# KiCad board DQBSCEEEEEE.kicad_pcb (continued)
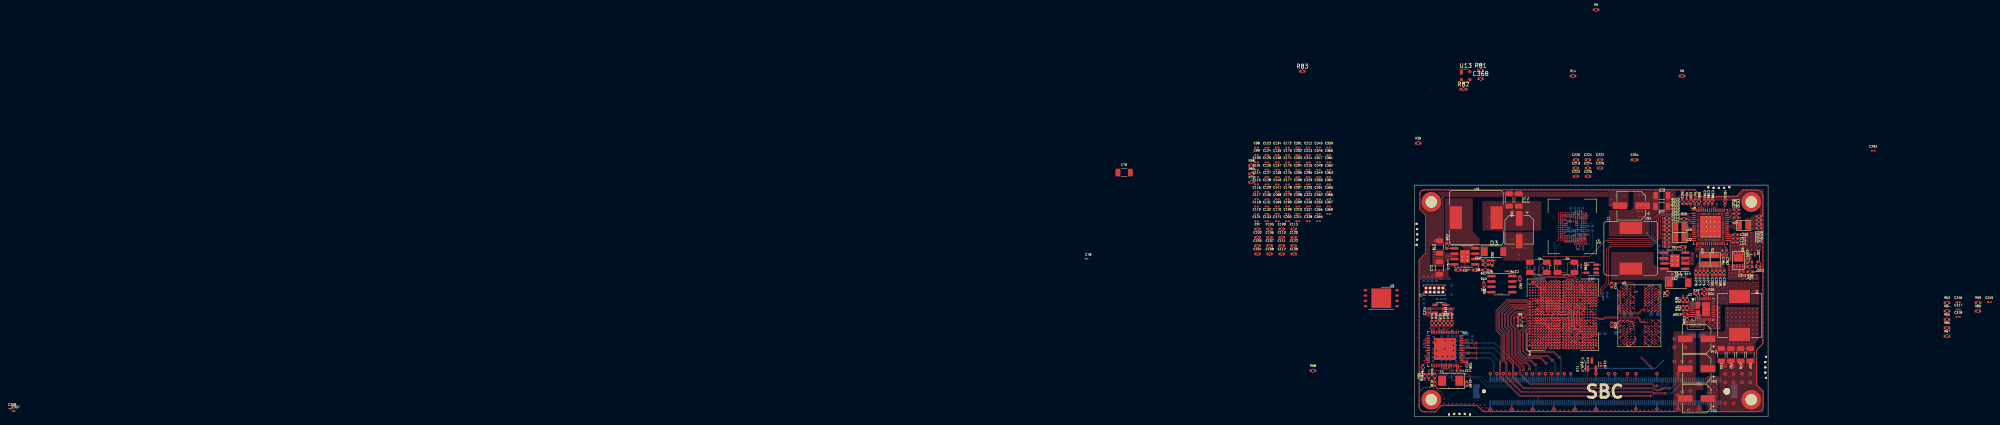
[diagram p0: board, top side]
## Copper pours and planes (outline as drawn; the poured copper is in the pictures) (continued)
VIN on TOP: 65.28,24.92 66.73,24.92 66.73,25.32 67.93,25.32 67.93,22.57 68.28,22.17 68.28,21.17 65.33,21.17 65.33,23.07 66.63,23.07 66.63,23.52 66.73,23.62 66.73,24.62 65.28,24.62
VIN on TOP, BOT: 72.25,1.57 69.45,1.57 69.43,9.67 72.25,9.67
VIN on S1: 89.75,-52.02 77.65,-52.02 77.65,-39.78 89.75,-39.78
VIN on S1: 68.08,23.67 71.63,20.32 71.63,11.97 72.53,11.07 72.53,1.37 63.93,1.37 63.93,25.32 68.08,25.32
/IO/ENET_2.5V_A on BOT: 11.98,16.1 12.58,15.62 13.83,15.62 13.83,12.97 10.58,12.97 10.58,17.32 11.98,17.32
/POWER/SW_ARM on TOP: 13.88,43.87 15.48,42.27 15.48,39.67 11.88,39.67 10.78,40.77 7.28,40.77 7.28,51.97 13.88,51.97
/POWER/SW_ARM on TOP: 46.7,39.1 46.7,32.5 59,32.5 59.4,32.1 59.4,30.7 61.6,30.7 61.6,34.2 60.3,35.5 57.6,35.5 56.8,36.3 56.8,39.1
NVCC_DRAM_1V1 on TOP: 72.93,36.89 73.98,35.14 73.98,34.34 70.38,34.34 70.38,36.89
NVCC_DRAM_1V1 on PW1: 74.95,28.8 60.55,28.8 60.55,15.3 39.65,15.3 39.65,26.8 40.75,26.8 40.75,39.9 73.15,40.05 74.36,42.9 75.5,42.9 75.5,39.9 74.95,39.9
NVCC_ENET_2V5 on BOT: 3.79,14.82 2.35,14.82 2.35,18.07 3.79,18.07
NVCC_ENET_2V5 on BOT: 14.48,16.17 12.08,16.17 12.08,17.32 14.48,17.32
NVCC_SD1_1V8 on BOT: 40.2,46.75 39,46.75 39,47.42 38.9,47.42 38.9,47.65 38.48,47.65 38.48,49.1 38.95,49.1 38.95,48.47 39.53,48.47 39.53,49.02 39.63,49.02 39.63,49.87 40.2,49.87
NVCC_SD1_1V8 on PW1: 36.05,29.32 32.85,29.32 32.85,47.52 36.05,47.52
Net-(C312-Pad2) on TOP: 79.43,35.11 78.88,35.11 78.48,34.71 78.48,34.06 77.88,34.06 77.88,34.81 77.73,34.96 77.73,36.26 77.88,36.26 78.48,36.86 79.43,36.86
Net-(U2-LX)_2 on TOP: 81.9,26.59 70.2,26.59 70.2,23.89 68.4,23.89 68.4,27.19 69.9,27.19 70.1,27.39 70.1,32.09 81.9,32.09
Net-(U8A-SW1ALX) on TOP: 65.7,44.97 66.83,44.97 66.83,44.17 65.78,44.17 65.6,43.99 63.4,43.99 63.4,46.09 64.58,46.09
Net-(U8A-SW1CLX) on TOP: 65.88,43.47 66.83,43.47 66.83,43.17 65.95,43.17 65.72,43 65.72,42.6 64.65,41.57 63.43,41.57 63.43,43.64 65.7,43.64
Net-(U8A-SW2LX) on TOP: 70.75,40.5 71.72,40.5 72.45,39.67 72.45,37.62 70.43,37.62 70.43,41.59 70.75,41.59
Net-(U8A-SW3ALX) on TOP: 77.8,44.34 75.9,44.34 75.58,44.67 73.83,44.67 73.83,45.47 75.03,45.47 75.98,46.42 77.8,46.42
Net-(U8A-SW4LX) on TOP: 70.23,37.62 67.95,37.62 67.95,39.1 69.32,40.5 69.93,40.5 69.93,41.57 70.23,41.57
Net-(U8C-VCORE) on TOP: 71.09,50.02 70.74,49.67 70.74,48.57 70.44,48.57 70.44,50.92 71.09,50.92
Net-(U8C-VCOREDIG) on TOP: 70.09,50.02 69.74,49.67 69.74,48.57 69.44,48.57 69.44,50.92 70.09,50.92
Net-(U8C-VCOREREF) on TOP: 68.58,50.02 68.93,49.67 68.93,48.57 69.23,48.57 69.23,50.92 68.58,50.92
Net-(U8C-VDDOTP) on TOP: 72.09,50.02 71.74,49.67 71.74,48.57 71.44,48.57 71.44,50.92 72.09,50.92

## Text on the board
F.Silkscreen: JTAG | SBC
User.1: DRAM<>MPU
